# Altium PCB SAMA5D27-SOM1-MFG-03.PcbDoc (part 1 of 6) (continued)
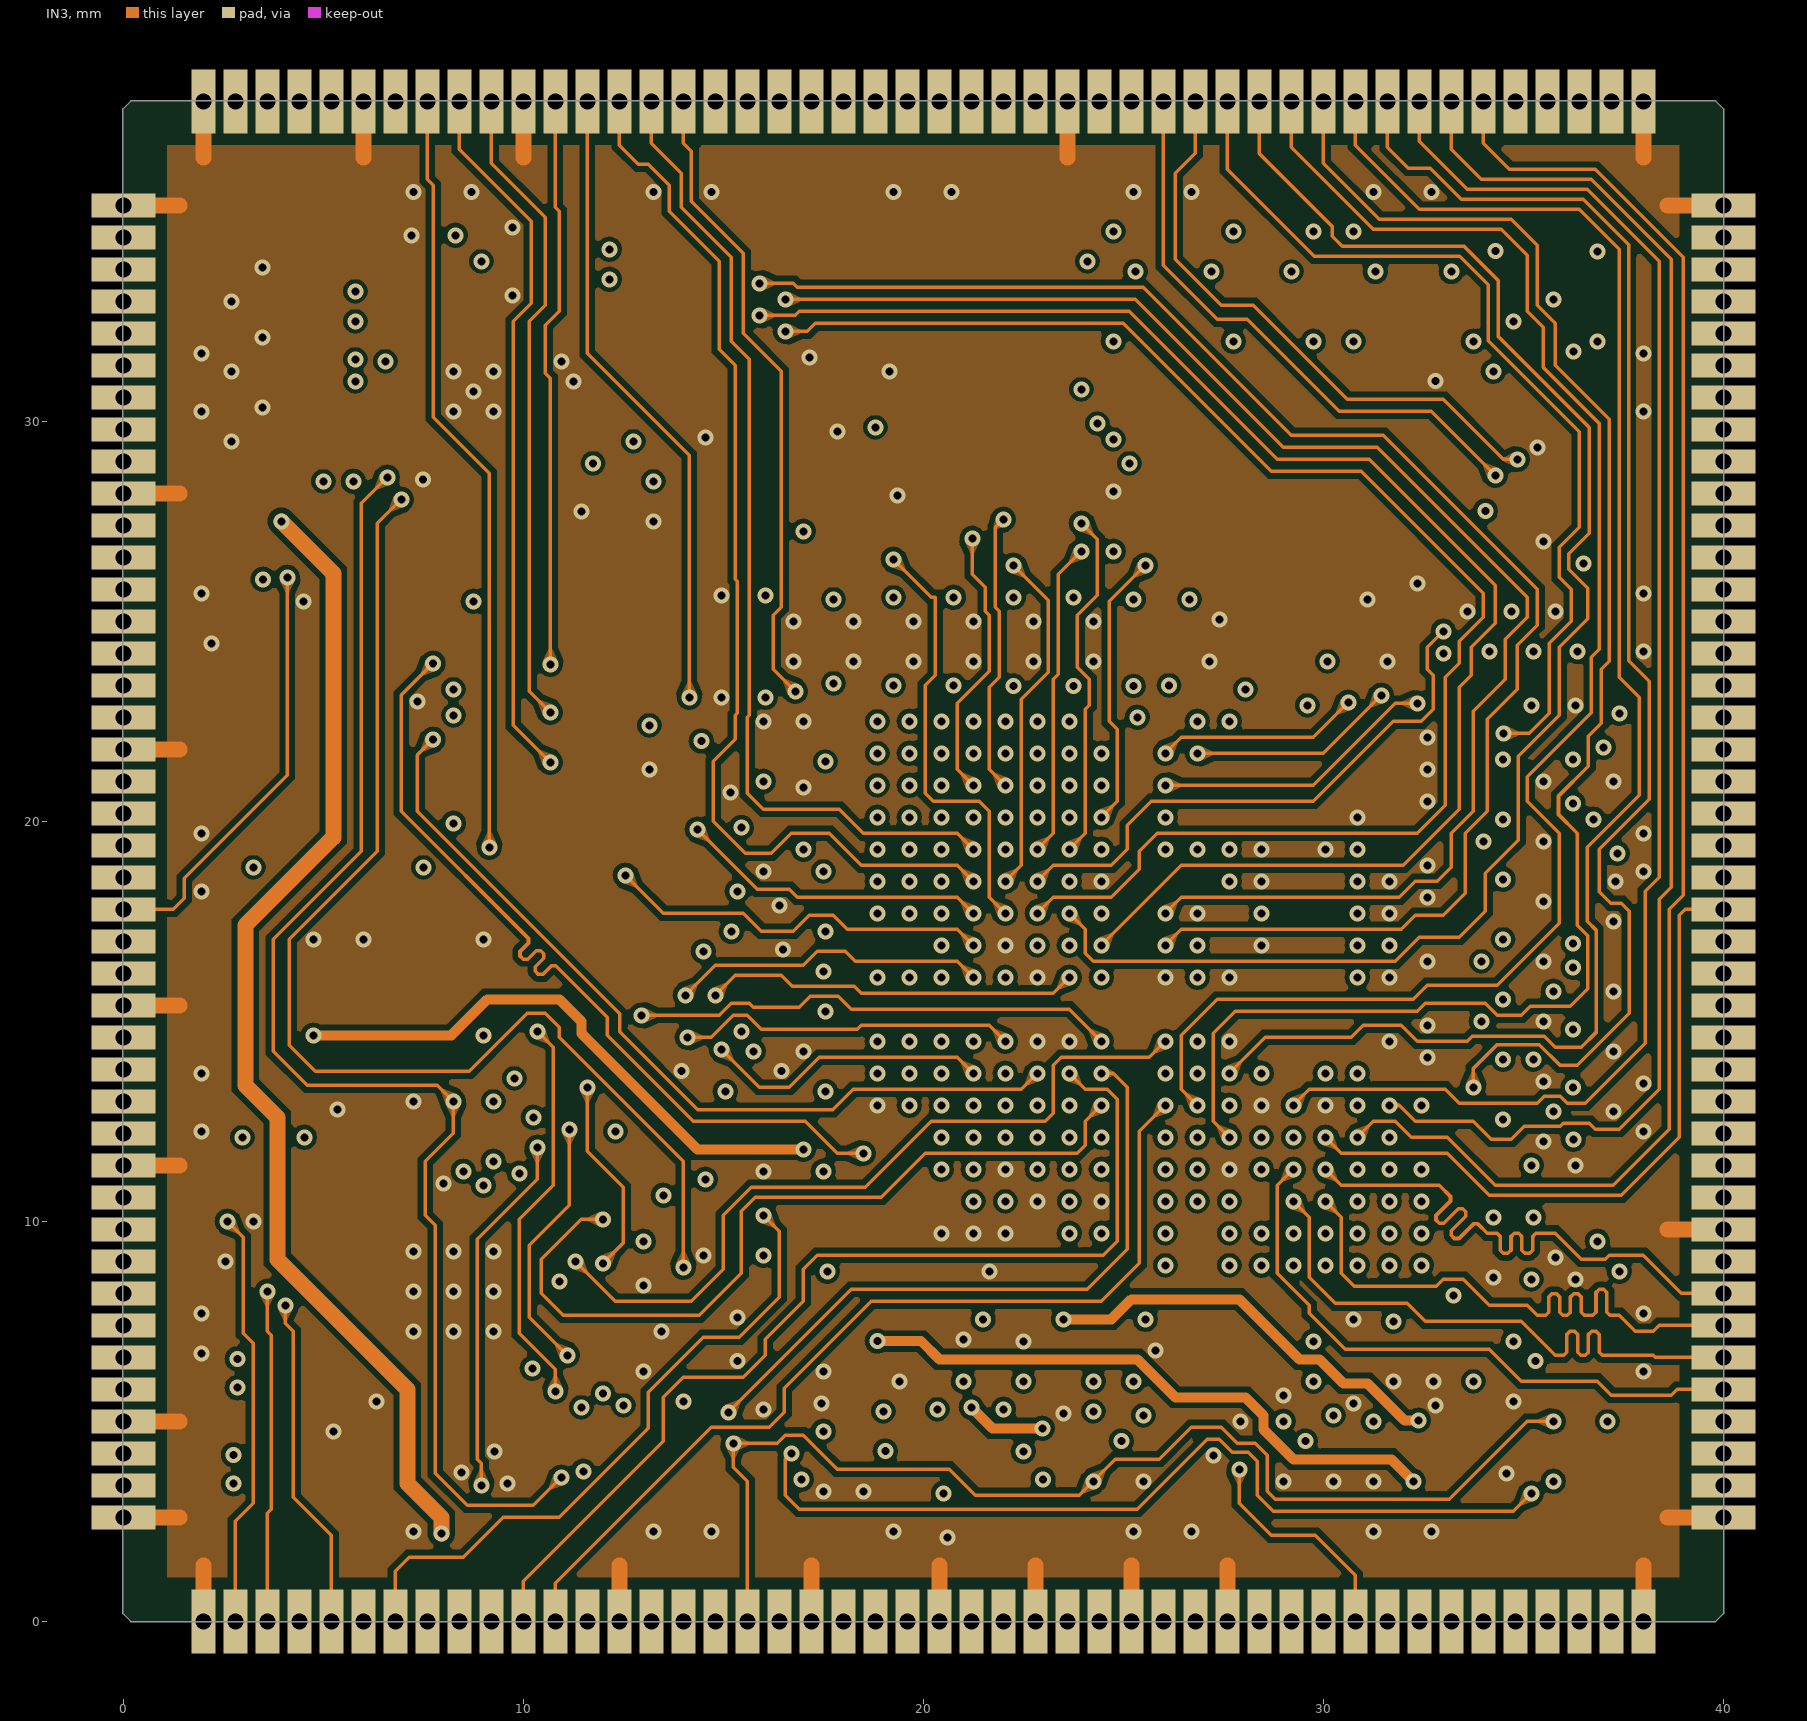
[diagram p4: IN3]
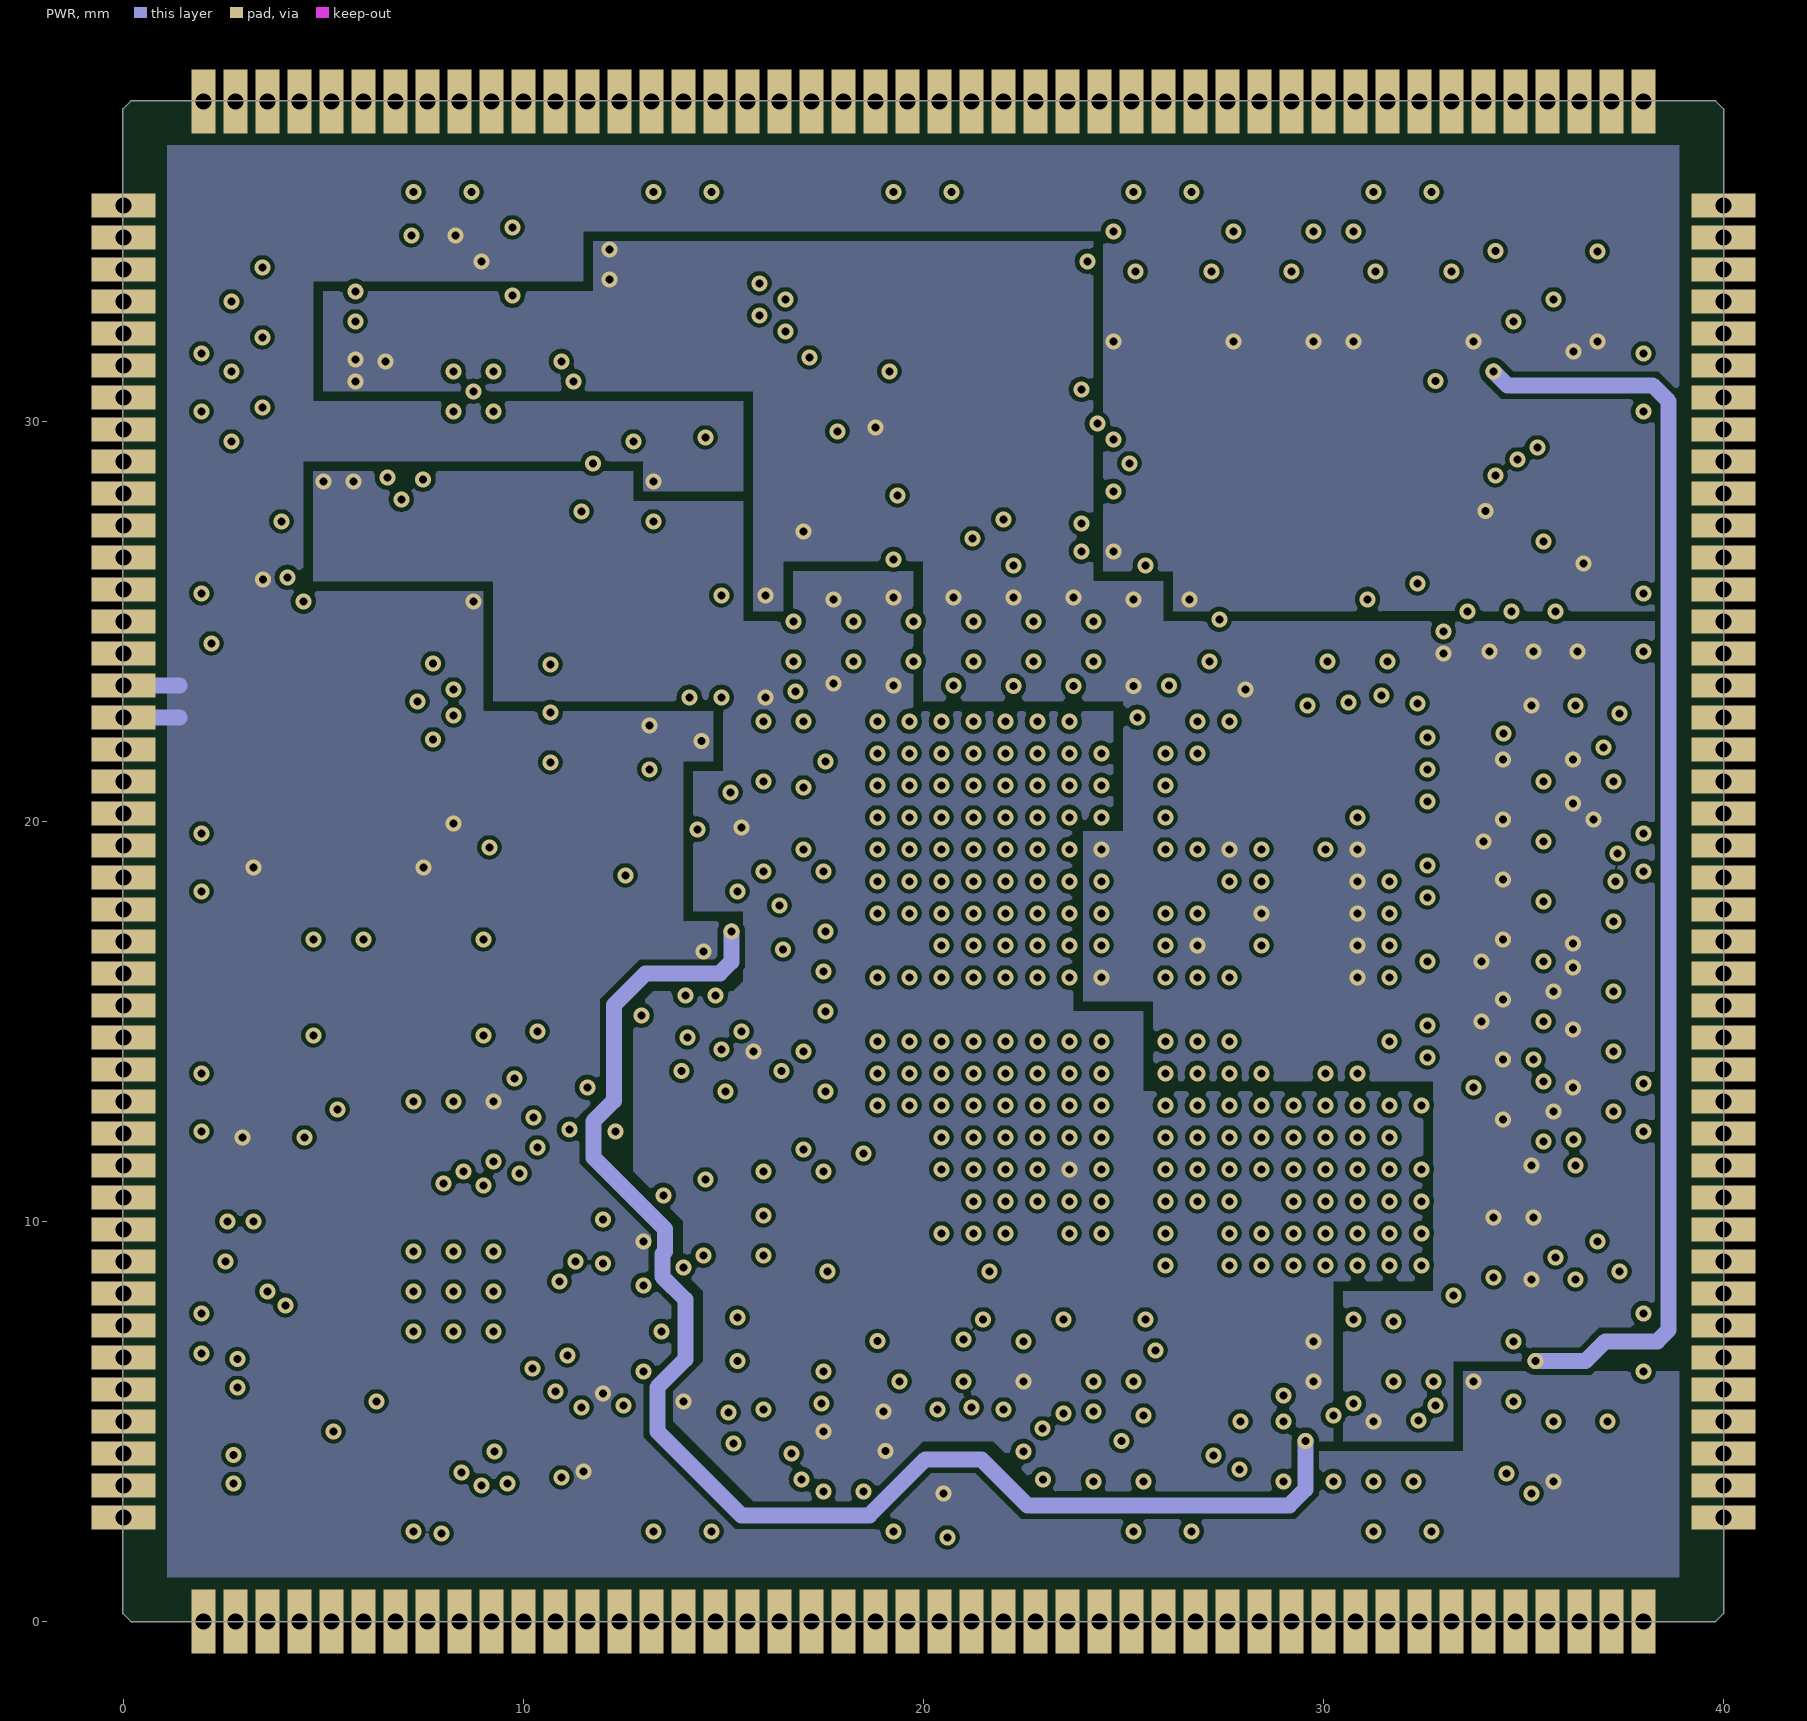
[diagram p5: PWR]

## Layer stack, top to bottom
Top Solder: solder mask 0.0102, Solder Resist, Dk 3.5
TOP: signal copper 0.06
Dielectric 1: core 0.09, FR-4, Dk 4.5
GND: signal copper 0.035
Dielectric2: core 0.18, FR-4, Dk 4.5
IN2: signal copper 0.035
Dielectric3: core 0.44, FR-4, Dk 4.5
IN3: signal copper 0.035
Dielectric4: core 0.18, FR-4, Dk 4.5
PWR: signal copper 0.035
Dielectric5: core 0.09, FR-4, Dk 4.5
BOTTOM: signal copper 0.06
Bottom Solder: solder mask 0.0102, Solder Resist, Dk 3.5

## Board outline
-0.013,0.2 -0.009,0.191 0.191,-0.009 0.2,-0.013 39.8,-0.013 39.809,-0.009 40.009,0.191 40.013,0.2 40.013,37.8 40.009,37.809 39.809,38.009 39.8,38.013 0.2,38.013 0.191,38.009 -0.009,37.809 -0.013,37.8

## Design rules (kind name [scope] priority, off if disabled: settings)
Clearance [All] p1: gap=0.1 ignorepadtopadclearanceinfootprint=FALSE except(0.15: Fill-Fill Fill-Poly Fill-Region Poly-Poly Poly-Region Region-Region)
HoleSize [All] p1: absolutevalues=TRUE maxlimit=0.5 minlimit=0.2 maxpercent=80.000 minpercent=20.000
HoleToHoleClearance [All] p1: gap=0.25 allowstackedmicrovias=TRUE
MinimumAnnularRing [All] p1: minimumring=0.1
MinimumSolderMaskSliver [All] p1: minsoldermaskwidth=0.1
PlaneConnect [All] p1: planeconnectstyle=Direct reliefexpansion=0.508 reliefentries=4 reliefconductorwidth=0.254 reliefairgap=0.254
PolygonConnect [All] p1: connectstyle=Direct reliefconductorwidth=0.254 reliefentries=4 polygonreliefangle="90 Angle" airgapwidth=0.254
RoutingVias [All] p1: holewidth=0.2 width=0.4 viastyle="Through Hole" minholewidth=0.2 minwidth=0.4 maxholewidth=0.2 maxwidth=0.4
SolderMaskExpansion SolderMaskExpansion_Via [IsVia] p1: expansion=-1
SolderMaskExpansion SolderMaskExpansion_All [All] p2: expansion=0.05
Width [All] p1: maxlimit=2 minlimit=0.1 preferedwidth=0.15
26 further rules are at their usual default settings.

## Components (designator, comment, footprint, x,y, rotation, side; value= is the part's Value field where it differs from the comment)
C1 "C0603-10UF-X5R-10V-10%_C0603_XP" C0603 4.25,33 r180 top
C2 "C0402-4.7UF-X5R-6.3V-10%_C0402_" C0402 7.75,34 r0 top
C3 "C0603-10UF-X5R-10V-10%_C0603_XP" C0603 10.5,34 r0 top
C4 "C0603-2.2UF-X7R-6.3V-10%_C0603_" C0603 4.25,31.25 r0 top
C5 "C0402-100NF-X7R-16V-10%_C0402_X" C0402 10.25,27.75 r180 top
C6 "C0402-100NF-X7R-16V-10%_C0402_X" C0402 14,30.25 r180 top
C7 "C0201-10NF-X7R-10V_C0201_XPF X%" C0201 7.75,28 r0 top
C8 "C0603-10UF-X5R-10V-10%_C0603_XP" C0603 4.25,29.5 r0 top
C9 "C0201-100NF-X5R-6.3V_C0201_XPF" C0201 12.5,27.5 r180 top
C10 "C0201-100NF-X5R-6.3V_C0201_XPF" C0201 19,24 r0 top
C11 "C0201-100NF-X5R-6.3V_C0201_XPF" C0201 18.5,4 r90 top
C12 "C0201-1NF-X7R-16V-10%_C0201_XPF" C0201 16,15 r90 top
C13 "C0201-1NF-X7R-16V-10%_C0201_XPF" C0201 25,25 r0 top
C14 "C0402-10UF-X5R-6.3V_C0402_XPF X" C0402 15.5,23.75 r0 top
C15 "C0201-1NF-X7R-16V-10%_C0201_XPF" C0201 30.5,6 r180 top
C16 "C0201-1NF-X7R-16V-10%_C0201_XPF" C0201 19,25 r0 top
C17 "C0201-1NF-X7R-16V-10%_C0201_XPF" C0201 17.5,25 r0 top
C18 "C0201-1NF-X7R-16V-10%_C0201_XPF" C0201 16,20.1 r270 top
C19 "C0201-1NF-X7R-16V-10%_C0201_XPF" C0201 17.5,4 r90 top
C20 "C0201-1NF-X7R-16V-10%_C0201_XPF" C0201 18.25,5.25 r0 top
C21 "C0201-100NF-X5R-6.3V_C0201_XPF" C0201 30.5,7 r180 top
C22 "C0201-100NF-X5R-6.3V_C0201_XPF" C0201 17.5,24 r0 top
C23 "C0201-100NF-X5R-6.3V_C0201_XPF" C0201 17,20.1 r270 top
C24 "C0201-100NF-X5R-6.3V_C0201_XPF" C0201 18.25,6.25 r0 top
C25 "C0402-10UF-X5R-6.3V_C0402_XPF X" C0402 15.5,25 r0 top
C26 "C0201-1NF-X7R-16V-10%_C0201_XPF" C0201 31.25,4.25 r90 top
C27 "C0201-1NF-X7R-16V-10%_C0201_XPF" C0201 35.25,9.35 r90 top
C28 "C0201-1NF-X7R-16V-10%_C0201_XPF" C0201 20.5,24 r0 top
C29 "C0201-1NF-X7R-16V-10%_C0201_XPF" C0201 22,25 r0 top
C30 "C0201-1NF-X7R-16V-10%_C0201_XPF" C0201 23.5,25 r0 top
C31 "C0201-100NF-X5R-6.3V_C0201_XPF" C0201 30.25,4.25 r90 top
C32 "C0201-100NF-X5R-6.3V_C0201_XPF" C0201 34.25,9.35 r90 top
C33 "C0201-100NF-X5R-6.3V_C0201_XPF" C0201 17,15 r90 top
C34 "C0201-100NF-X5R-6.3V_C0201_XPF" C0201 20.5,25 r0 top
C35 "C0201-100NF-X5R-6.3V_C0201_XPF" C0201 22,24 r0 top
C36 "C0201-100NF-X5R-6.3V_C0201_XPF" C0201 23.5,24 r0 top
C37 "C0201-100NF-X5R-6.3V_C0201_XPF" C0201 25,24 r0 top
C38 "C0402-10UF-X5R-6.3V_C0402_XPF X" C0402 12.5,21.85 r90 top
C39 "C0201-100NF-X5R-6.3V_C0201_XPF" C0201 29,4.25 r90 top
C40 "C0201-100NF-X5R-6.3V_C0201_XPF" C0201 16.75,16.25 r0 top
C41 "C0201-100NF-X5R-6.3V_C0201_XPF" C0201 17,17.5 r270 top
C42 "C0201-100NF-X5R-6.3V_C0201_XPF" C0201 26.4,24 r180 top
C43 "C0201-100NF-X5R-6.3V_C0201_XPF" C0201 31.75,6.75 r90 top
C44 "C0201-100NF-X5R-6.3V_C0201_XPF" C0201 32.75,6.75 r90 top
C45 "C0201-100NF-X5R-6.3V_C0201_XPF" C0201 17,21.75 r270 top
C46 "C0201-100NF-X5R-6.3V_C0201_XPF" C0201 16,21.75 r270 top
C47 "C0201-100NF-X5R-6.3V_C0201_XPF" C0201 23.25,7 r0 top
C48 "C0402-4.7UF-X5R-6.3V-10%_C0402_" C0402 4.75,15.85 r270 top
C49 "C0201-100NF-X5R-6.3V_C0201_XPF" C0201 16.75,11.25 r0 top
C50 "C0402-4.7UF-X5R-6.3V-10%_C0402_" C0402 6,15.85 r270 top
C51 "C0201-100NF-X5R-6.3V_C0201_XPF" C0201 17,13.5 r270 top
C52 "C0201-100NF-X5R-6.3V_C0201_XPF" C0201 21.75,4.75 r180 top
C53 "C0402-4.7UF-X5R-6.3V-10%_C0402_" C0402 16,4.1 r270 top
C54 "C0201-100NF-X5R-6.3V_C0201_XPF" C0201 23.25,4.25 r180 top
C55 "C0201-100NF-X5R-6.3V_C0201_XPF" C0201 16.75,18.75 r0 top
C56 "C0201-100NF-X5R-6.3V_C0201_XPF" C0201 25.5,4.25 r90 top
C57 "C0201-100NF-X5R-6.3V_C0201_XPF" C0201 34.75,6.25 r90 top
C58 "C0201-100NF-X5R-6.3V_C0201_XPF" C0201 19.4,6.75 r90 top
C59 "C0402-4.7UF-X5R-6.3V-10%_C0402_" C0402 9,15.85 r270 top
C60 "C0201-100NF-X5R-6.3V_C0201_XPF" C0201 14.5,13.5 r270 top
C61 "C0201-12PF-C0G-50V_C0201_XPF X%" C0201 29,6.5 r90 top
C62 "C0201-12PF-C0G-50V_C0201_XPF X%" C0201 27,4.75 r180 top
C63 "C0201-10PF-C0G-25V_C0201_XPF X%" C0201 21.75,7 r0 top
C64 "C0201-8PF-C0G-50V_C0201_XPF X%" C0201 14.8,6.25 r270 top
C65 "C0201-8PF-C0G-50V_C0201_XPF X%" C0201 14.8,7.85 r90 top
C66 "C0402-4.7UF-X5R-6.3V-10%_C0402_" C0402 28.05,24.5 r270 top
C67 "C0201-100NF-X5R-6.3V_C0201_XPF" C0201 29.35,25 r180 top
C68 "C0201-100NF-X5R-6.3V_C0201_XPF" C0201 30.85,25 r180 top
C69 "C0201-100NF-X5R-6.3V_C0201_XPF" C0201 3.75,25.5 r180 top
C70 "C0402-2.2UF-X5R-6.3V_C0402_XPF" C0402 32.35,24.75 r270 top
C71 "C0402-2.2UF-X5R-6.3V_C0402_XPF" C0402 35.75,10.75 r180 top
C72 "C0201-100NF-X5R-6.3V_C0201_XPF" C0201 33.6,24.5 r270 top
C73 "C0201-100NF-X5R-6.3V_C0201_XPF" C0201 34.7,24.5 r270 top
C74 "C0201-100NF-X5R-6.3V_C0201_XPF" C0201 35.8,24.5 r270 top
C75 "C0201-100NF-X5R-6.3V_C0201_XPF" C0201 34.75,19.5 r180 top
C76 "C0201-100NF-X5R-6.3V_C0201_XPF" C0201 34.75,21 r180 top
C77 "C0201-100NF-X5R-6.3V_C0201_XPF" C0201 34.75,18 r180 top
C78 "C0201-100NF-X5R-6.3V_C0201_XPF" C0201 36.5,17.5 r180 top
C79 "C0201-100NF-X5R-6.3V_C0201_XPF" C0201 34.75,16.5 r180 top
C80 "C0201-100NF-X5R-6.3V_C0201_XPF" C0201 36.5,15.75 r180 top
C81 "C0402-2.2UF-X5R-6.3V_C0402_XPF" C0402 35.75,22.25 r180 top
C82 "C0402-2.2UF-X5R-6.3V_C0402_XPF" C0402 35.75,7.9 r180 top
C83 "C0201-100NF-X5R-6.3V_C0201_XPF" C0201 34.75,15 r180 top
C84 "C0201-100NF-X5R-6.3V_C0201_XPF" C0201 36.5,14.25 r180 top
C85 "C0201-100NF-X5R-6.3V_C0201_XPF" C0201 34.75,13.5 r180 top
C86 "C0201-100NF-X5R-6.3V_C0201_XPF" C0201 36.5,12.75 r180 top
C87 "C0201-100NF-X5R-6.3V_C0201_XPF" C0201 36.5,21 r180 top
C88 "C0201-100NF-X5R-6.3V_C0201_XPF" C0201 34.75,12 r180 top
C89 "C0201-100NF-X5R-6.3V_C0201_XPF" C0201 36.25,27 r0 top
C90 "C0201-100NF-X5R-6.3V_C0201_XPF" C0201 24.75,27.5 r270 top
C91 "C0402-2.2UF-X5R-6.3V_C0402_XPF" C0402 6,12.25 r90 top
C92 "C0201-100NF-X5R-6.3V_C0201_XPF" C0201 7.25,12.25 r270 top
C93 "C0402-10UF-X5R-6.3V_C0402_XPF X" C0402 3.75,9 r0 top
C94 "C0201-100NF-X5R-6.3V_C0201_XPF" C0201 4,10 r0 top
C95 "C0201-22PF-C0G-50V_C0201_XPF X%" C0201 8.75,4.5 r90 top
C96 "C0402-10UF-X5R-6.3V_C0402_XPF X" C0402 12.25,7.25 r180 top
C97 "C0201-100NF-X5R-6.3V_C0201_XPF" C0201 12.25,6.25 r180 top
C98 "C0201-22PF-C0G-50V_C0201_XPF X%" C0201 5.25,4 r270 top
L1 "MLP2520H2R2MT0S1_L2520_2.2U" L2520 13.75,32.75 r90 top
L2 "BLM03AX100SZ1_L0201_10R   1A" L0201 26.4,25 r180 top
L3 "BLM03AX100SZ1_L0201_10R   1A" L0201 33.75,6.75 r90 top
L4 "BLM03AX100SZ1_L0201_10R   1A" L0201 15.75,17.5 r270 top
L5 "BLM03AX100SZ1_L0201_10R   1A" L0201 23.25,6 r0 top
L6 "BLM03AX100SZ1_L0201_10R   1A" L0201 15,21.75 r270 top
L7 "MLZ1608N100L_L0603_02_10U" L0603_02 3.25,15.85 r270 top
L8 "BLM03AX100SZ1_L0201_10R   1A" L0201 15.75,13.5 r270 top
L9 "BLM03AX100SZ1_L0201_10R   1A" L0201 20.25,4.75 r0 top
L10 "MLZ1608N100L_L0603_02_10U" L0603_02 13.75,3.6 r0 top
L11 "MLZ1608N100L_L0603_02_10U" L0603_02 7.5,15.85 r270 top
L12 "BLM18PG181SN1D_L0603_02_180R" L0603_02 3.75,11.25 r180 top
MS1 "BMI-S-206-F_BMI-S-206-F_01_?" BMI-S-206-F_01 19.99,18.99 r0 top
Q1 "DMN26D0UDJ-7_SOT963_01_DMN26D0U" SOT963_01 34,4.5 r90 top
R1 "R0201-100K-5%_R0201_XR X% XW_" R0201 12,29.5 r0 top
R2 "R0201-10K-5%_R0201_XR X% XW_" R0201 35.75,4.25 r270 top
R3 "R0201-56K-5%_R0201_XR X% XW_" R0201 12.5,28.5 r180 top
R4 "R0201-100K-5%_R0201_XR X% XW_" R0201 32.25,4.25 r270 top
R5 "R0201-0R_R0201_XR X% XW_" R0201 14.5,17.5 r90 top
R6 "R0201-2.2R-5%_R0201_XR X% XW_" R0201 3.25,18.1 r270 top
R7 "R0201-0R_R0201_XR X% XW_" R0201 20.25,3.75 r180 top
R8 "R0201-2.2R-5%_R0201_XR X% XW_" R0201 13.75,4.95 r180 top
R9 "R0201-2.2R-5%_R0201_XR X% XW_" R0201 7.5,18.1 r270 top
R10 "R0201-100R-5%_R0201_XR X% XW_" R0201 24.25,4.25 r90 top
R11 "R0201-100R-5%_R0201_XR X% XW_" R0201 16.75,10.15 r0 top
R12 "R0201-10K-5%_R0201_XR X% XW_" R0201 15.25,9.15 r0 top
R13 "R0201-100R-1%_R0201_XR X% XW_" R0201 24.25,6.75 r270 top
R14 "R0402-0R_R0402_XR X% XW_" R0402 20.35,6.5 r270 top
R15 "R0201-100R-5%_R0201_XR X% XW_" R0201 16.75,9.15 r0 top
R16 "R0201-100R-1%_R0201_XR X% XW_" R0201 25.25,6.75 r270 top
R17 "R0201-5.62K-1%_R0201_XR X% XW_" R0201 21.75,6 r0 top
R18 "R0201-1.5K-1%_R0201_XR X% XW_" R0201 29.35,24 r180 top
R19 "R0201-0R_R0201_XR X% XW_" R0201 36.5,19.5 r0 top
R20 "R0201-0R_R0201_XR X% XW_" R0201 36.5,18.5 r0 top
R21 "R0201-1.5K-1%_R0201_XR X% XW_" R0201 30.85,24 r180 top
R22 "R0201-2.2K-5%_R0201_XR X% XW_" R0201 8,20.5 r0 top
R23 "R0201-2.2K-5%_R0201_XR X% XW_" R0201 8,25.5 r0 top
R24 "R0201-22R-5%_R0201_XR X% XW_" R0201 6.5,20.5 r0 top
R25 "R0201-22R-5%_R0201_XR X% XW_" R0201 6.5,25.5 r0 top
R26 "R0201-22R-5%_R0201_XR X% XW_" R0201 8,21.5 r180 top
R27 "R0201-22R-5%_R0201_XR X% XW_" R0201 8,24.5 r180 top
R28 "R0201-10K-5%-DNP_R0201_XR X% XW" R0201 27.75,32.75 r270 top
R29 "R0201-10K-5%-DNP_R0201_XR X% XW" R0201 24.75,32.75 r270 top
R30 "R0201-10K-5%-DNP_R0201_XR X% XW" R0201 30.75,32.75 r270 top
R31 "R0201-10K-5%-DNP_R0201_XR X% XW" R0201 33.75,32.75 r270 top
R32 "R0201-10K-5%-DNP_R0201_XR X% XW" R0201 29.75,32.75 r270 top
R33 "R0201-10K-5%_R0201_XR X% XW_" R0201 36.85,31.25 r270 top
R34 "R0201-10K-5%-DNP_R0201_XR X% XW" R0201 35.5,31.75 r0 top
R35 "R0201-10K-5%_R0201_XR X% XW_" R0201 33.5,27.5 r90 top
R36 "R0201-22R-5%_R0201_XR X% XW_" R0201 28.75,32.75 r270 top
R37 "R0201-22R-5%_R0201_XR X% XW_" R0201 32.75,32.75 r270 top
R38 "R0201-22R-5%_R0201_XR X% XW_" R0201 31.75,32.75 r270 top
R39 "R0201-22R-5%_R0201_XR X% XW_" R0201 35.5,31 r180 top
R40 "R0201-22R-5%_R0201_XR X% XW_" R0201 25.75,32.75 r270 top
R41 "R0201-22R-5%_R0201_XR X% XW_" R0201 26.75,32.75 r270 top
R42 "R0201-22R-5%_R0201_XR X% XW_" R0201 29.75,34 r90 top
R43 "R0201-22R-5%_R0201_XR X% XW_" R0201 33.75,34 r90 top
R44 "R0201-22R-5%_R0201_XR X% XW_" R0201 35.5,32.5 r180 top
R45 "R0201-22R-5%_R0201_XR X% XW_" R0201 30.75,34 r90 top
R46 "R0201-22R-5%_R0201_XR X% XW_" R0201 24.75,34 r90 top
R47 "R0201-22R-5%_R0201_XR X% XW_" R0201 27.75,34 r90 top
R48 "R0201-1K-5%_R0201_XR X% XW_" R0201 12.25,9.5 r0 top
R49 "R0201-1K-5%_R0201_XR X% XW_" R0201 11.5,4.5 r270 top
R50 "R0402-6.49K-1%_R0402_XR X% XW_" R0402 10.25,4 r90 top
R51 "R0201-10K-5%_R0201_XR X% XW_" R0201 12.25,8.4 r180 top
R52 "R0201-10K-5%_R0201_XR X% XW_" R0201 9.25,12.25 r90 top
R53 "R0201-0R_R0201_XR X% XW_" R0201 8.25,12.25 r90 top
TP1 "TP_TP-CMSROND-1MM_02_TP" TP-CMSROND-1MM_02 6.8,29.8 r0 bottom
TP2 "TP_TP-CMSROND-1MM_02_TP" TP-CMSROND-1MM_02 18.8,29 r0 bottom
TP3 "TP_TP-CMSROND-1MM_02_TP" TP-CMSROND-1MM_02 10.8,16.2 r0 bottom
TP4 "TP_TP-CMSROND-1MM_02_TP" TP-CMSROND-1MM_02 33.2,4.2 r0 bottom
TP5 "TP_TP-CMSROND-1MM_02_TP" TP-CMSROND-1MM_02 4.4,33 r0 bottom
TP6 "TP_TP-CMSROND-1MM_02_TP" TP-CMSROND-1MM_02 6,14.6 r0 bottom
TP7 "TP_TP-CMSROND-1MM_02_TP" TP-CMSROND-1MM_02 14.8,3.4 r0 bottom
TP8 "TP_TP-CMSROND-1MM_02_TP" TP-CMSROND-1MM_02 23.6,4.2 r0 bottom
TP9 "TP_TP-CMSROND-1MM_02_TP" TP-CMSROND-1MM_02 8.4,15.4 r0 bottom
TP10 "TP_TP-CMSROND-1MM_02_TP" TP-CMSROND-1MM_02 5.2,11.4 r0 bottom
TP11 "TP_TP-CMSROND-1MM_02_TP" TP-CMSROND-1MM_02 20,34 r0 top
TP12 "TP_TP-CMSROND-1MM_02_TP" TP-CMSROND-1MM_02 23.25,34 r0 top
TP13 "TP_TP-CMSROND-1MM_02_TP" TP-CMSROND-1MM_02 36,34.25 r0 top
U1 "MIC2800-G1JJYML_QFN16_02_MIC280" QFN16_02 8.75,30.75 r180 top
U2 "SAMA5D27C-D1G-CU_BGA289_02_(S1+" BGA289_02 25.65,15.7 r0 top
U3 "24AA02E48T-I-OT_SOT23-5_02_24AA" SOT23-5_02 5,23 r90 top
U4 "SST26VF064B-104I-MF_WDFN08_01_S" WDFN08_01 29.15,29.1 r90 top
U5 "NL17SZ126DFT2G_SOT353_01_NL17SZ" SOT353_01 36,29 r270 top
U6 "KSZ8081RNAIA_QFN24_01_KSZ8081RN" QFN24_01 8.25,8.25 r0 top
U7 "SAMA5D27-SOM1-2_SAMA5D27-DXG-SO" SAMA5D27-DXG-SOM1 20,19 r0 top
Y1 "NX2016SA_24MHZ_QUARTZ-NX2016SA_" QUARTZ-NX2016SA_01 27.25,6.25 r180 top
Y2 "NX2012SA_32-768KHZ_QUARTZ-NX201" QUARTZ-NX2012SA_01 16.4,7.05 r90 top
Y3 "NX2016HA_25MHZ_QUARTZ-NX2016HA_" QUARTZ-NX2016HA_01 7,4.25 r180 top

## Footprints (in the part's own frame and the unit in brackets; to place one, negate y for a bottom-side part, rotate by r counter-clockwise, add the part's x,y. Pads: shape width x height; smd on the part's side, far side on the other; paste and mask are expansions set on the pad)
BGA289_02 [mm] "BGA289_02"
  round 0.38 smd: A1(-6.4,6.4) A2(-5.6,6.4) A3(-4.8,6.4) A4(-4,6.4) A5(-3.2,6.4) A6(-2.4,6.4) A7(-1.6,6.4) A8(-0.8,6.4) A9(0,6.4) A10(0.8,6.4) A11(1.6,6.4) A12(2.4,6.4) A13(3.2,6.4) A14(4,6.4) A15(4.8,6.4) A16(5.6,6.4) A17(6.4,6.4) B1(-6.4,5.6) B2(-5.6,5.6) B3(-4.8,5.6) B4(-4,5.6) B5(-3.2,5.6) B6(-2.4,5.6) B7(-1.6,5.6) B8(-0.8,5.6) B9(0,5.6) B10(0.8,5.6) B11(1.6,5.6) B12(2.4,5.6) B13(3.2,5.6) B14(4,5.6) B15(4.8,5.6) B16(5.6,5.6) B17(6.4,5.6) C1(-6.4,4.8) C2(-5.6,4.8) C3(-4.8,4.8) C4(-4,4.8) C5(-3.2,4.8) C6(-2.4,4.8) C7(-1.6,4.8) C8(-0.8,4.8) C9(0,4.8) C10(0.8,4.8) C11(1.6,4.8) C12(2.4,4.8) C13(3.2,4.8) C14(4,4.8) C15(4.8,4.8) C16(5.6,4.8) C17(6.4,4.8) D1(-6.4,4) D2(-5.6,4) D3(-4.8,4) D4(-4,4) D5(-3.2,4) D6(-2.4,4) D7(-1.6,4) D8(-0.8,4) D9(0,4) D10(0.8,4) D11(1.6,4) D12(2.4,4) D13(3.2,4) D14(4,4) D15(4.8,4) D16(5.6,4) D17(6.4,4) E1(-6.4,3.2) E2(-5.6,3.2) E3(-4.8,3.2) E4(-4,3.2) E5(-3.2,3.2) E6(-2.4,3.2) E7(-1.6,3.2) E8(-0.8,3.2) E9(0,3.2) E10(0.8,3.2) E11(1.6,3.2) E12(2.4,3.2) E13(3.2,3.2) E14(4,3.2) E15(4.8,3.2) E16(5.6,3.2) E17(6.4,3.2) F1(-6.4,2.4) F2(-5.6,2.4) F3(-4.8,2.4) F4(-4,2.4) F5(-3.2,2.4) F6(-2.4,2.4) F7(-1.6,2.4) F8(-0.8,2.4) F9(0,2.4) F10(0.8,2.4) F11(1.6,2.4) F12(2.4,2.4) F13(3.2,2.4) F14(4,2.4) F15(4.8,2.4) F16(5.6,2.4) F17(6.4,2.4) G1(-6.4,1.6) G2(-5.6,1.6) G3(-4.8,1.6) G4(-4,1.6) G5(-3.2,1.6) G6(-2.4,1.6) G7(-1.6,1.6) G8(-0.8,1.6) G9(0,1.6) G10(0.8,1.6) G11(1.6,1.6) G12(2.4,1.6) G13(3.2,1.6) G14(4,1.6) G15(4.8,1.6) G16(5.6,1.6) G17(6.4,1.6) H1(-6.4,0.8) H2(-5.6,0.8) H3(-4.8,0.8) H4(-4,0.8) H5(-3.2,0.8) H6(-2.4,0.8) H7(-1.6,0.8) H8(-0.8,0.8) H9(0,0.8) H10(0.8,0.8) H11(1.6,0.8) H12(2.4,0.8) H13(3.2,0.8) H14(4,0.8) H15(4.8,0.8) H16(5.6,0.8) H17(6.4,0.8) J1(-6.4,0) J2(-5.6,0) J3(-4.8,0) J4(-4,0) J5(-3.2,0) J6(-2.4,0) J7(-1.6,0) J8(-0.8,0) J9(0,0) J10(0.8,0) J11(1.6,0) J12(2.4,0) J13(3.2,0) J14(4,0) J15(4.8,0) J16(5.6,0) J17(6.4,0) K1(-6.4,-0.8) K2(-5.6,-0.8) K3(-4.8,-0.8) K4(-4,-0.8) K5(-3.2,-0.8) K6(-2.4,-0.8) K7(-1.6,-0.8) K8(-0.8,-0.8) K9(0,-0.8) K10(0.8,-0.8) K11(1.6,-0.8) K12(2.4,-0.8) K13(3.2,-0.8) K14(4,-0.8) K15(4.8,-0.8) K16(5.6,-0.8) K17(6.4,-0.8) L1(-6.4,-1.6) L2(-5.6,-1.6) L3(-4.8,-1.6) L4(-4,-1.6) L5(-3.2,-1.6) L6(-2.4,-1.6) L7(-1.6,-1.6) L8(-0.8,-1.6) L9(0,-1.6) L10(0.8,-1.6) L11(1.6,-1.6) L12(2.4,-1.6) L13(3.2,-1.6) L14(4,-1.6) L15(4.8,-1.6) L16(5.6,-1.6) L17(6.4,-1.6) M1(-6.4,-2.4) M2(-5.6,-2.4) M3(-4.8,-2.4) M4(-4,-2.4) M5(-3.2,-2.4) M6(-2.4,-2.4) M7(-1.6,-2.4) M8(-0.8,-2.4) M9(0,-2.4) M10(0.8,-2.4) M11(1.6,-2.4) M12(2.4,-2.4) M13(3.2,-2.4) M14(4,-2.4) M15(4.8,-2.4) M16(5.6,-2.4) M17(6.4,-2.4) N1(-6.4,-3.2) N2(-5.6,-3.2) N3(-4.8,-3.2) N4(-4,-3.2) N5(-3.2,-3.2) N6(-2.4,-3.2) N7(-1.6,-3.2) N8(-0.8,-3.2) N9(0,-3.2) N10(0.8,-3.2) N11(1.6,-3.2) N12(2.4,-3.2) N13(3.2,-3.2) N14(4,-3.2) N15(4.8,-3.2) N16(5.6,-3.2) N17(6.4,-3.2) P1(-6.4,-4) P2(-5.6,-4) P3(-4.8,-4) P4(-4,-4) P5(-3.2,-4) P6(-2.4,-4) P7(-1.6,-4) P8(-0.8,-4) P9(0,-4) P10(0.8,-4) P11(1.6,-4) P12(2.4,-4) P13(3.2,-4) P14(4,-4) P15(4.8,-4) P16(5.6,-4) P17(6.4,-4) R1(-6.4,-4.8) R2(-5.6,-4.8) R3(-4.8,-4.8) R4(-4,-4.8) R5(-3.2,-4.8) R6(-2.4,-4.8) R7(-1.6,-4.8) R8(-0.8,-4.8) R9(0,-4.8) R10(0.8,-4.8) R11(1.6,-4.8) R12(2.4,-4.8) R13(3.2,-4.8) R14(4,-4.8) R15(4.8,-4.8) R16(5.6,-4.8) R17(6.4,-4.8) T1(-6.4,-5.6) T2(-5.6,-5.6) T3(-4.8,-5.6) T4(-4,-5.6) T5(-3.2,-5.6) T6(-2.4,-5.6) T7(-1.6,-5.6) T8(-0.8,-5.6) T9(0,-5.6) T10(0.8,-5.6) T11(1.6,-5.6) T12(2.4,-5.6) T13(3.2,-5.6) T14(4,-5.6) T15(4.8,-5.6) T16(5.6,-5.6) T17(6.4,-5.6) U1(-6.4,-6.4) U2(-5.6,-6.4) U3(-4.8,-6.4) U4(-4,-6.4) U5(-3.2,-6.4) U6(-2.4,-6.4) U7(-1.6,-6.4) U8(-0.8,-6.4) U9(0,-6.4) U10(0.8,-6.4) U11(1.6,-6.4) U12(2.4,-6.4) U13(3.2,-6.4) U14(4,-6.4) U15(4.8,-6.4) U16(5.6,-6.4) U17(6.4,-6.4)